# Altium PCB CameraControler0.1.PcbDoc
Units mil, origin at the board's own origin, x right, y up, seen from the top; angles counter-clockwise.
Board outline 5511.81 x 4409.45 mil, 2 copper layers (Top Layer, Bottom Layer); 290 components, 222 nets, 911 pads, 4 vias.
Unrouted connection lines stored in the file: 651.
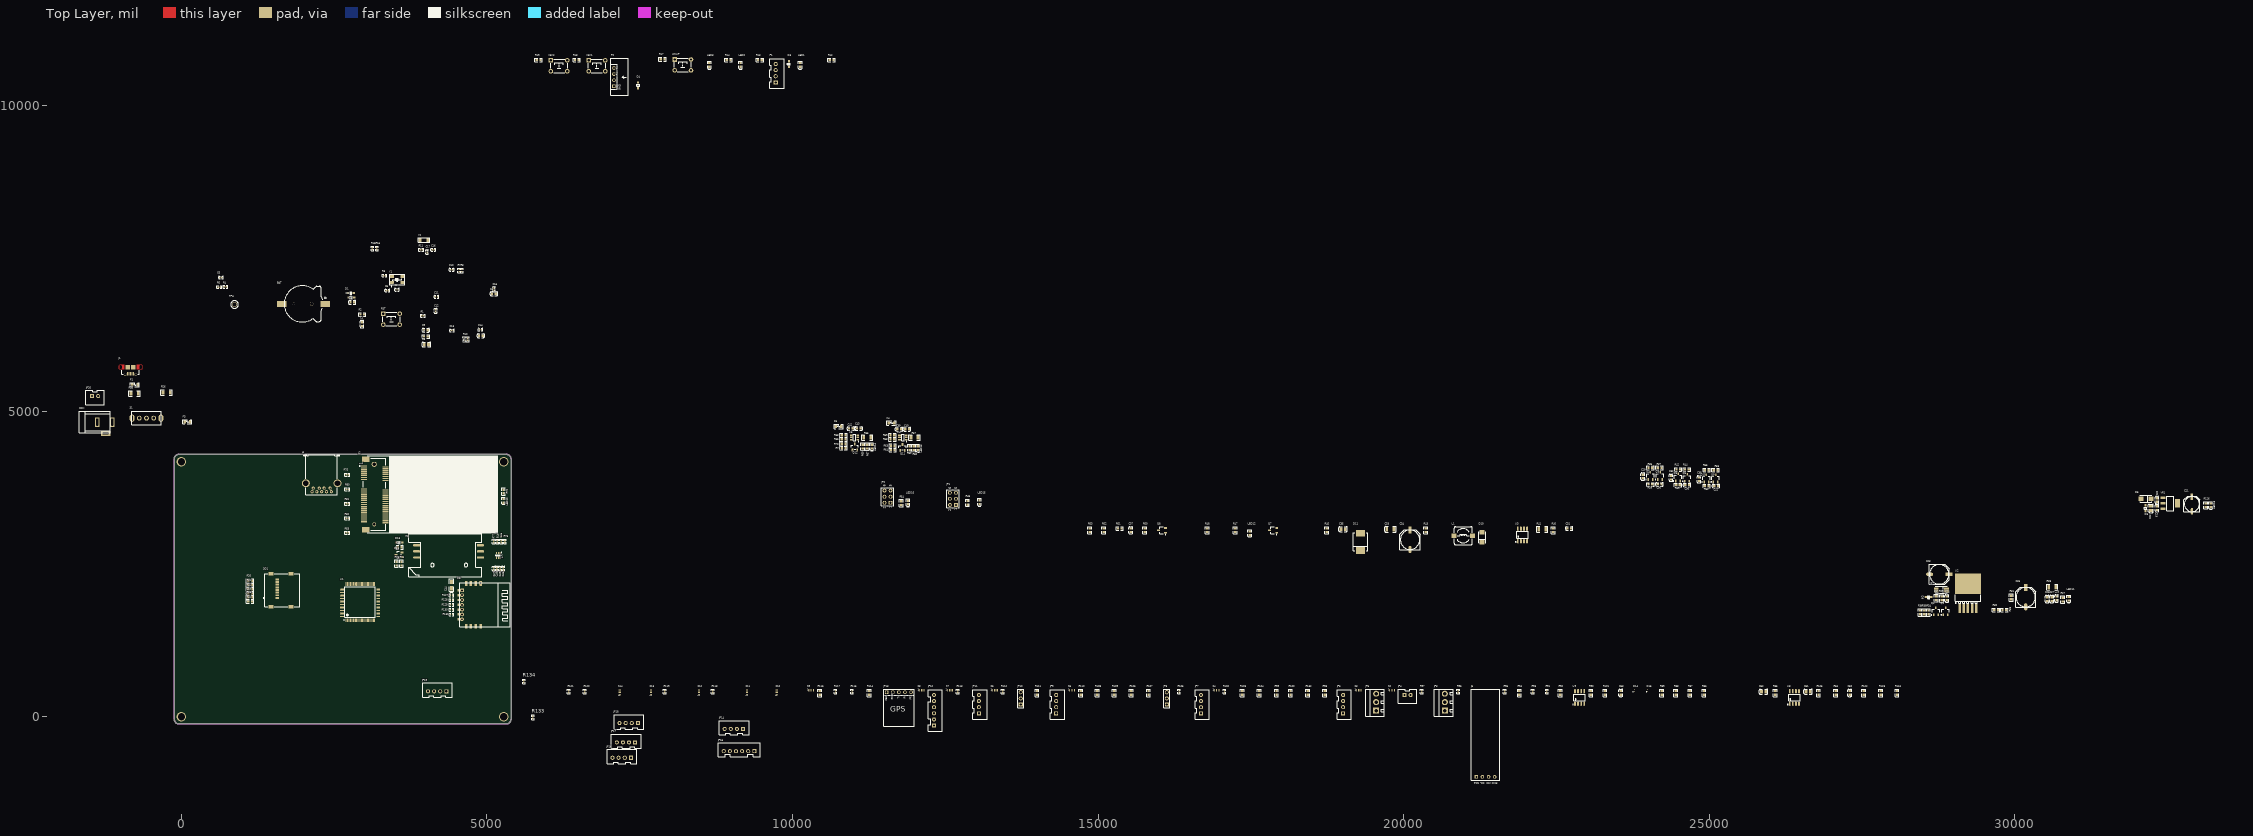
[diagram p0: Top Layer view]
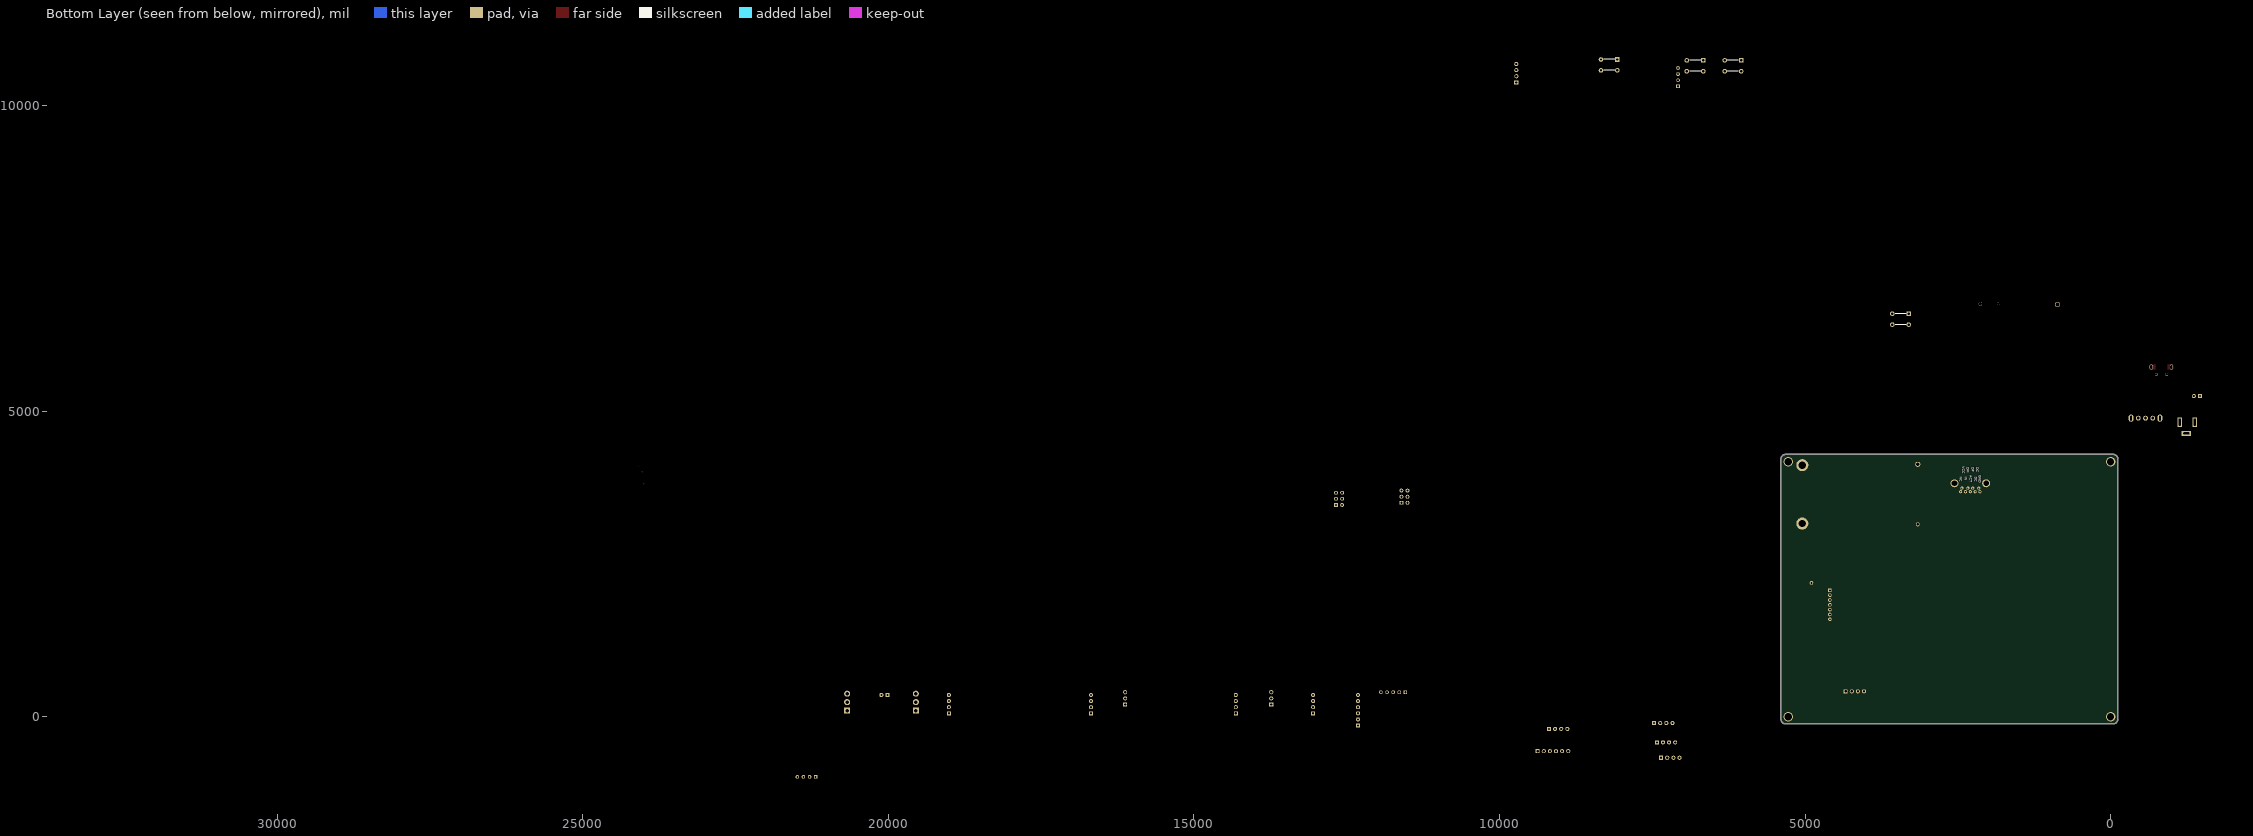
[diagram p1: Bottom Layer view, seen from below]

## Layer stack, top to bottom
Top Solder: solder mask 0.4, Solder Resist, Dk 3.5
Top Layer: signal copper 1.4
Dielectric 1: dielectric 12.6, FR-4, Dk 4.8
Bottom Layer: signal copper 1.4
Bottom Solder: solder mask 0.4, Solder Resist, Dk 3.5

## Board outline
-117.91,-43.11 ccw(c-43.11,-43.11) -43.11,-117.91 -43.31,-118.11 5318.9,-118.11 ccw(c5318.9,-43.31) 5393.7,-43.31 5393.7,4216.54 ccw(c5318.9,4216.54) 5318.9,4291.34 -43.31,4291.33 -43.31,4291.34 ccw(c-43.31,4216.54) -118.11,4216.54

## Design rules (kind name [scope] priority, off if disabled: settings)
Clearance [All] p1: gap=6 ignorepadtopadclearanceinfootprint=FALSE except(0: Arc-Hole Track-Hole SMDPad-Hole THPad-Hole Via-Hole Fill-Hole Poly-Hole Region-Hole Text-Hole; 1: THPad-Fill THPad-Poly THPad-Region Via-Fill Via-Poly Via-Region)
HoleSize [All] p1: absolutevalues=TRUE maxlimit=120 minlimit=1 maxpercent=80.000 minpercent=20.000
MinimumSolderMaskSliver [All] p1: minsoldermaskwidth=1
PolygonConnect [All] p1: connectstyle=Relief reliefconductorwidth=10 reliefentries=4 polygonreliefangle="90 Angle" airgapwidth=10
RoutingVias [All] p1: holewidth=10 width=20 viastyle="Through Hole" minholewidth=6 minwidth=10 maxholewidth=30 maxwidth=50
SolderMaskExpansion [All] p1: expansion=4
Width [All] p1: maxlimit=50 minlimit=6 preferedwidth=10 minimp=50.000000 maximp=50.000000 favimp=50.000000
28 further rules are at their usual default settings.

## Classes and differential pairs
component class WiFi&4G_F: C44 C45 C46 C47 C48 C49 D13 J2 J3 LED10 Q13 R72 R73 R74 R75 R76 R77 R78 R79 R80 R81 R82 R83 R127 R128 R129 R130 R131 U6 U7
component class PWR_F: C19 C20 C21 C22 C23 C24 C25 C26 C27 C28 C29 C30 C31 C32 C33 C34 C35 C36 C37 C38 C39 C40 C41 C42 C43 CON D5 D6 D7 D9 D10 D11 F1 F3 F4 F5 J1 JP1 JP2 JP20 L1 LED11 LED12 LED13 LED14 LED15 LED16 LED18 Q1 Q2 Q3 Q4 Q5 Q6 Q7 Q8 Q9 Q10 Q11 Q12 R25 R26 R27 R28 R29 R30 R31 R32 R33 R34 R35 R36 R37 R38 R39 R40 R41 R42 R43 R44 R45 R46 R47 R48 R49 R50 R51 R52 R53 R54 R55 R56 R57 R58 R59 R60 R61 R62 R63 R64 R65 R66 R67 R68 R69 R70 R71 R126 S1 U2 U3 U4 U5 VR1
component class MCU_F: BAT C1 C2 C3 C4 C5 C6 C7 C8 C9 C10 C11 C12 C13 C14 C15 C16 C17 C18 D1 D2 D3 D4 KEY1 KEY2 LED1 LED2 LED3 P1 P2 R1 R2 R3 R4 R5 R6 R7 R8 R9 R10 R11 R12 R13 R14 R15 R16 R17 R18 R19 R20 R21 R22 R23 R24 RST SD1 TPH U1 WKUP Y1 Y2
component class Device_F: C50 C51 C52 C53 D14 D15 J4 J5 JP3 JP4 JP5 JP6 JP7 JP8 JP9 JP10 JP11 JP12 JP13 JP14 JP15 JP16 JP17 JP18 JP19 R84 R85 R86 R87 R88 R89 R90 R91 R92 R93 R94 R95 R96 R97 R98 R99 R100 R101 R102 R103 R104 R105 R106 R107 R108 R109 R110 R111 R112 R113 R114 R115 R116 R117 R118 R119 R120 R121 R122 R123 R124 R125 R132 R133 R134 S2 S3 S4 S5 S6 S7 S8 S9 S10 S11 S12 S13 S14 U8 U9

## Components (designator, comment, footprint, x,y, rotation, side; value= is the part's Value field where it differs from the comment)
BAT "BAT CR1220" CR1220_B 1976.73,6755 r0 top
C1 "100nF" 0603_C 2955,6425 r270 top
C2 "22pF" 0402_C 3527.8,6987.69 r0 top
C3 "2.2uF" 0603_C 4900,6235 r180 top
C4 "2.2uF" 0603_C 5114.69,6920 r180 top
C5 "22pF" 0402_C 3369.53,6973.71 r0 top
C6 "100nF" 0402_C 645.31,7185 r0 top
C7 "100nF" 0603_C 2795.75,6780 r180 top
C8 "10uF" 0805_C 4010.04,6090 r0 top
C9 "100nF" 0603_C 4000,6325 r0 top
C10 "100nF" 0402_C 4423.27,7315 r0 top
C11 "100nF" 0402_C 4173.98,6870 r0 top
C12 "100nF" 0402_C 4160,6641.73 r270 top
C13 "100nF" 0402_C 4429.45,6321.02 r180 top
C14 "100nF" 0402_C 4896.73,6335 r180 top
C15 "100nF" 0402_C 5115,6995 r270 top
C16 "22pF" 0402_C 4121.73,7640 r180 top
C17 "22pF" 0402_C 4020,7605 r90 top
C18 "100nF" 0603_C 1124.69,2015.9 r0 top
C19 "100nF" 0603_C 32330,3411.61 r90 top
C20 "100nF" 0603_C 32330,3545.31 r270 top
C21 "220uF" "CT 6*6 - C" 32900,3480 r90 top
C22 "10uF" 0805_C 32230,3409.96 r90 top
C23 "470uF" "CT 8*7 - C" 28765,2330 r0 top
C24 "100nF" 0603_C 28890,1935 r270 top
C25 "470uF" "CT 8*7 - C" 30180,1955 r90 top
C26 "100nF" 0603_C 30530,1925 r90 top
C27 "10pF" 0603_C 30605,1925 r90 top
C28 "33pF" 0603_C 30685,1935 r90 top
C29 "1uF" 0603_C 23915,3930 r90 top
C30 "1uF" 0603_C 24187.76,3800.65 r0 top
C31 "100nF" 0603_C 22710,3080.31 r0 top
C32 "1uF" 0603_C 24375,3910 r90 top
C33 "10uF" 1206_C 19785,3065.31 r0 top
C34 "470uF" "CT 8*7 - C" 20105,2895.31 r90 top
C35 "22uF" 0805_C 19010,3070.31 r0 top
C36 "1uF" 0603_C 24639.32,3791 r0 top
C37 "220pF" 0603_C 15535,3050.31 r90 top
C38 "1uF" 0603_C 24835,3884.68 r90 top
C39 "1nF" 0603_C 11744.69,4705 r180 top
C40 "100nF" 0603_C 11875,4705 r180 top
C41 "1uF" 0603_C 25112.4,3775.33 r0 top
C42 "1nF" 0603_C 10955,4715 r180 top
C43 "100nF" 0603_C 11085,4715 r0 top
C44 "4.7uF" CASE-A_3216 4420,2153.43 r270 top
C45 "100nF" 0603_C 3572.27,2770 r180 top
C46 "33pF" 0402_C 5270,2421.73 r90 top
C47 "33pF" 0402_C 5111.73,2421.73 r90 top
C48 "33pF" 0402_C 5164.49,2421.73 r90 top
C49 "33pF" 0402_C 5217.24,2421.73 r90 top
C50 "100nF" 0603_C 27300,390 r90 top
C51 "10uF" 0805_C 26620,410 r0 top
C52 "100nF" 0805_C 25890,410 r0 top
C53 "100nF" 0603_C 23555,390 r90 top
CON "DC" DC-005 -1376.95,4820 r180 top
D1 "1N4148" SOD-323 2775,6930 r180 top
D2 "1N4148" SOD-323 2780,6860 r180 top
D3 "1N4148" SOD-323 9940,10680 r90 top
D4 "1N4148" SOD-323 7475,10331.46 r90 top
D5 "B350A" SMA(DO-214AC)_S1 32147.32,3565 r180 top
D6 "SD24C" SOD-323 32140,3410 r270 top
D7 "B350A" SMA(DO-214AC)_S1 28800,2075 r180 top
D9 "SD24C" SOD-323 28590,1955 r180 top
D10 "B350A" SMA(DO-214AC)_S1 21285,2935.31 r90 top
D11 "SS34" SMC(DO-214AB)_S1 19295,2860.31 r90 top
D13 "LESD3Z5.0T1G" SOD-323 3566.5,2850 r0 top
D14 "ESD9L5.0ST5G" ONSC-SOD-923-2-514AB-01_V 23775,425 r90 top
D15 "ESD9L5.0ST5G" ONSC-SOD-923-2-514AB-01_V 23995,425 r90 top
F1 "5V 2A" "FU 0805" -761.36,5430 r180 top
F3 "5V 3A" "FU 0805" 98.05,4825 r0 top
F4 "5V 2A" "FU 0805" 11620,4805 r0 top
F5 "5V 2A" "FU 0805" 10755,4750 r0 top
J1 "MicroUSB" MOLX-47589-0001 -831.95,5720.43 r180 top
J2 "EC25-AU" PCIEmin-i 3155.24,3145.87 r90 top locked
J3 "SIM Card" "SIM Card" 3850,2605 r180 top
J4 "USB 3.0" USB3.0-i 2295.63,3958.11 r180 top
J5 "OLED" "HDR-4P OLED" 21190,-985 r90 top
JP1 "HDR-2X3" HDR-3X2 12675,3465 r90 top
JP2 "HDR-2X3" HDR-3X2 11605,3500 r90 top
JP3 "HDR-1X3" KF350-3P 20675,100 r90 top
JP4 "XH-2.56-2P" XH2.54-2P 20015,355 r0 top
JP5 "HDR-1X3" KF350-3P 19550,100 r90 top
JP6 "XH-2.56-4P" XH2.54-4P 19010,55 r90 top
JP7 "IIC" XH2.54-4P 16685,55 r90 top
JP8 "HDR-1X3" HDR-1X3 16125,200 r90 top
JP9 "XH-2.56-4P" XH2.54-4P 14315,55 r90 top
JP10 "HDR-1X3" HDR-1X3 13735,200 r90 top
JP11 "IIC" XH2.54-4P 13050,55 r90 top
JP12 "SPI2" XH2.54-6P 12315,-145 r90 top
JP13 "HDR-5P GPS" "HDR-5P GPS" 11540,400 r0 top
JP14 "IIC" XH2.54-4P 9190,-200 r180 top
JP15 "SPI3" XH2.54-6P 9375,-565 r180 top
JP16 "UART2_1" XH2.54-4P 7355,-672 r180 top
JP17 "IIC" XH2.54-4P 7425,-420 r180 top
JP18 "UART2_2" XH2.54-4P 7470,-105 r180 top
JP19 "IIC" XH2.54-4P 4335,415 r180 top
JP20 "DC" XH2.54-2P -1461.95,5245 r0 top
KEY1 "KEY" "TSW DIP-6*6*8" 6800,10650 r0 top
KEY2 "KEY" "TSW DIP-6*6*8" 6180,10650 r0 top
L1 "10uH" CDRH74 20975,2960.31 r0 top
LED1 "绿灯 0603" 0603_LED_S1 10125,10665 r90 top
LED2 "黄灯 0603" 0603_LED_S1 9150,10665 r90 top
LED3 "蓝灯 0603" 0603_LED_S1 8640,10665 r90 top
LED10 "蓝灯 0603" 0603_LED_S1 5270,3531.42 r90 top
LED11 "黄灯 0603" 0603_LED_S1 30885,1930.31 r90 top
LED12 "黄灯 0603" 0603_LED_S1 17480,3000.31 r90 top
LED13 "黄灯 0603" 0603_LED_S1 12055,4395 r90 top
LED14 "黄灯 0603" 0603_LED_S1 11300,4420 r90 top
LED15 "黄灯 0603" 0603_LED_S1 13060,3510 r90 top
LED16 "黄灯 0603" 0603_LED_S1 11890,3504.68 r90 top
LED18 "红灯 0603" 0603_LED_S1 33210,3460 r90 top
P1 "JLINK" XH2.54-4P 9725,10380 r90 top
P2 "LOG" "HDR-4P Bluetooth-v" 7550,11720 r0 top
Q1 "AO3400A" SOT-23-3L 28870,1725 r270 top
Q2 "AO3400A" SOT-23-3L 28710,1725 r270 top
Q3 "AO3401A" SOT-23-3L 24196.12,3940.65 r270 top
Q4 "AO3400A" SOT-23-3L 24038.72,3940.65 r270 top
Q5 "AO3401A" SOT-23-3L 24640,3910.65 r270 top
Q6 "AO3400A" SOT-23-3L 24490,3915.65 r270 top
Q7 "AO3400A" SOT-23-3L 17865,3050.31 r0 top
Q8 "AO3400A" SOT-23-3L 16045,3050.31 r0 top
Q9 "AO3401A" SOT-23-3L 25105.31,3900.33 r270 top
Q10 "AO3400A" SOT-23-3L 24955,3900.33 r270 top
Q11 "SS8050" SOT-23(SOT-23-3) 11800,4405 r270 top
Q12 "SS8050" SOT-23(SOT-23-3) 11020,4415 r270 top
Q13 "SS8050 Y1" SOT-23(SOT-23-3) 3558.82,2650 r0 top
R1 "0Ω" 0402_R 3951.73,6560 r0 top
R2 "10KΩ" 0603_R 2960,6580 r0 top
R3 "NC" 0402_R 3324.53,7217.69 r0 top value=1MΩ
R4 "0Ω" 0402_R 720,7035 r0 top
R5 "NC" 0402_R 620,7030 r0 top value=0Ω
R6 "10Ω" 0603_R 4000,6221 r0 top
R7 "NC" 0402_R 4545,7301.02 r270 top value=10KΩ
R8 "10KΩ" 0402_R 4590,7301.02 r90 top
R9 "NC" 0402_R 4685,6176.73 r90 top value=10KΩ
R10 "10KΩ" 0402_R 4630,6176.73 r270 top
R11 "NC" 0402_R 3923.27,7640 r0 top value=1MΩ
R12 "4.7KΩ" 0603_R 10640,10745 r0 top
R13 "4.7KΩ" 0603_R 9465,10745 r0 top
R14 "4.7KΩ" 0603_R 8955,10745 r0 top
R15 "0Ω" 0402_R 3200,7660 r90 top
R16 "0Ω" 0402_R 3125,7663.58 r90 top
R17 "4.7KΩ" 0603_R 7875,10760 r0 top
R18 "4.7KΩ" 0603_R 6470,10745 r0 top
R19 "4.7KΩ" 0603_R 5845,10745 r0 top
R20 "47KΩ" 0603_R 1124.69,2225 r180 top
R21 "47KΩ" 0603_R 1124.69,2155 r180 top
R22 "47KΩ" 0603_R 1124.69,2085 r180 top
R23 "47KΩ" 0603_R 1125,1955 r180 top
R24 "47KΩ" 0603_R 1124.69,1885 r180 top
R25 "0Ω" 1206_R -766.95,5290 r180 top
R26 "0Ω" 1206_R -241.95,5305 r0 top
R27 "4.7KΩ" 0603_R 30785,1915 r90 top
R28 "0Ω" 1206_R 30613.66,2120 r0 top
R29 "51KΩ" 0603_R 28805,1935 r90 top
R30 "82KΩ" 0603_R 29695,1745 r180 top
R31 "470Ω" 0603_R 29945,1950 r90 top
R32 "100KΩ" 0603_R 28715,1939.69 r90 top
R33 "47KΩ" 0603_R 29830.31,1745 r180 top
R34 "NC" 0603_R 28590,1705.32 r90 top
R35 "100KΩ" 0603_R 24039.31,4075.65 r0 top
R36 "10KΩ" 0603_R 28450,1705.31 r90 top
R37 "NC" 0603_R 24187.76,4075.65 r0 top
R38 "100KΩ" 0603_R 28520,1705.32 r90 top
R39 "100KΩ" 0603_R 24039.31,3800.65 r180 top
R40 "124KΩ" 0603_R 22450,3050.31 r90 top
R41 "0Ω" 1206_R 22270,3065.31 r0 top
R42 "100KΩ" 0603_R 24494.68,4045 r0 top
R43 "4.7KΩ" 0603_R 20360,3050.31 r90 top
R44 "NC" 0603_R 24635.31,4045 r0 top
R45 "100KΩ" 0603_R 18740,3050.31 r90 top
R46 "10KΩ" 0603_R 12865,3499.69 r270 top
R47 "40.2KΩ" 0603_R 17245,3050.31 r90 top
R48 "NC" 0603_R 16785,3050.31 r90 top
R49 "100KΩ" 0603_R 24490,3791 r180 top
R50 "10KΩ" 0603_R 15765,3050.31 r90 top
R51 "200KΩ" 0603_R 15355,3080.31 r0 top
R52 "100KΩ" 0603_R 15095,3050.31 r90 top
R53 "68.1KΩ" 0603_R 14865,3050.31 r90 top
R54 "4.7KΩ" 0603_R 11780,3494.69 r270 top
R55 "100KΩ" 0603_R 24960,4035 r0 top
R56 "NC" 0603_R 25105.31,4035 r0 top
R57 "0Ω" 1206_R 11996.34,4570 r0 top
R58 "51KΩ" 0603_R 11634.69,4540 r180 top
R59 "100KΩ" 0603_R 11634.68,4605 r0 top
R60 "10KΩ" 0603_R 11985,4395 r90 top
R61 "4.7KΩ" 0603_R 11915,4395 r270 top
R62 "100KΩ" 0603_R 24960,3775.33 r180 top
R63 "4.7KΩ" 0603_R 11640,4435 r0 top
R64 "47KΩ" 0603_R 11640,4365 r180 top
R65 "0Ω" 1206_R 11223.66,4570 r0 top
R66 "51KΩ" 0603_R 10835,4540 r180 top
R67 "4.7KΩ" 0603_R 11225,4420 r90 top
R68 "100KΩ" 0603_R 10835,4605 r0 top
R69 "4.7KΩ" 0603_R 11150,4420 r270 top
R70 "4.7KΩ" 0603_R 10835,4464.21 r0 top
R71 "47KΩ" 0603_R 10834.69,4395 r180 top
R72 "4.7KΩ" 0603_R 5270,3684.68 r90 top
R73 "4.7KΩ" 0603_R 3519.65,2504.25 r90 top
R74 "4.7KΩ" 0603_R 3601.83,2504.25 r270 top
R75 "10KΩ" 0402_R 2713.39,3960.83 r180 top
R76 "15KΩ" 0402_R 5295,2865 r90 top
R77 "22Ω" 0402_R 5110,2865 r270 top
R78 "22Ω" 0402_R 5171.73,2865 r270 top
R79 "22Ω" 0402_R 5233.46,2865 r270 top
R80 "22Ω" 0402_R 2713.39,3723.12 r180 top
R81 "NC" 0402_R 2713.39,3485.41 r180 top value=22Ω
R82 "22Ω" 0402_R 2713.39,3247.71 r180 top
R83 "22Ω" 0402_R 2713.39,3010 r180 top
R84 "10KΩ" 0603_R 27070,390 r90 top
R85 "10KΩ" 0603_R 26080,390 r90 top
R86 "10KΩ" 0603_R 24915,390 r90 top
R87 "10KΩ" 0603_R 24685,390 r90 top
R88 "NC" 0603_R 24455,390 r90 top
R89 "0Ω" 0603_R 24225,390 r90 top
R90 "360Ω" 0603_R 23065,390 r90 top
R91 "22Ω" 0402_R 22345,410 r90 top
R92 "360Ω" 0603_R 22565,390 r90 top
R93 "22Ω" 0402_R 22115,410 r90 top
R94 "120Ω" 0603_R 21895,390 r90 top
R95 "22Ω" 0402_R 21655,410 r90 top
R96 "22Ω" 0402_R 20895,410 r90 top
R97 "22Ω" 0402_R 20295,410 r90 top
R98 "4.7KΩ" 0603_R 18710,390 r90 top
R99 "4.7KΩ" 0603_R 17920,390 r90 top
R100 "0Ω" 0603_R 18150,390 r90 top
R101 "0Ω" 0603_R 23295,390 r90 top
R102 "22Ω" 0402_R 17070,410 r90 top
R103 "0Ω" 0603_R 17360,390 r90 top
R104 "NC" 0603_R 17640,390 r90 top
R105 "22Ω" 0402_R 16325,410 r90 top
R106 "0Ω" 0603_R 15545,390 r90 top
R107 "NC" 0603_R 15825,390 r90 top
R108 "0Ω" 0603_R 14985,390 r90 top
R109 "NC" 0603_R 15265,390 r90 top
R110 "4.7KΩ" 0603_R 14715,390 r90 top
R111 "4.7KΩ" 0603_R 14000,390 r90 top
R112 "22Ω" 0402_R 13440,410 r90 top
R113 "22Ω" 0402_R 12705,410 r90 top
R114 "4.7KΩ" 0603_R 11255,390 r90 top
R115 "22Ω" 0402_R 10975,410 r90 top
R116 "4.7KΩ" 0603_R 10445,390 r90 top
R117 "22Ω" 0402_R 10705,410 r90 top
R118 "22Ω" 0402_R 8695,410 r90 top
R119 "22Ω" 0402_R 7910,410 r90 top
R120 "22Ω" 0402_R 6600,410 r90 top
R121 "22Ω" 0402_R 6340,410 r90 top
R122 "10KΩ" 0603_R 27530,390 r90 top
R123 "4.7KΩ" 0603_R 27810,390 r90 top
R124 "4.7KΩ" 0603_R 28075,390 r90 top
R125 "10KΩ" 0603_R 26790,390 r90 top
R126 "4.7KΩ" 0603_R 33125,3460 r90 top
R127 "0Ω" 0402_R 4420,1987.87 r0 top
R128 "0Ω" 0402_R 4420,1909.13 r0 top
R129 "0Ω" 0402_R 4420,1830.39 r0 top
R130 "0Ω" 0402_R 4420,1751.65 r0 top
R131 "0Ω" 0402_R 4420,1672.91 r180 top
R132 "NC" 0603_R 18430,390 r90 top
R133 "0Ω" 0402_R 5752.77,-10 r90 top
R134 "0Ω" 0402_R 5605,576.73 r90 top
RST "KEY" "TSW DIP-6*6*8" 3437.53,6505 r0 top
S1 "SW" "SS-12F23 (1P2T)  Straight foot" -571.52,4885 r180 top
S2 "SW" SWITCH_SPOT 19770,430 r0 top
S3 "SW" SWITCH_SPOT 19225,430 r0 top
S4 "SW" SWITCH_SPOT 16900,430 r0 top
S5 "SW" SWITCH_SPOT 14535,430 r0 top
S6 "SW" SWITCH_SPOT 13270,430 r0 top
S7 "SW" SWITCH_SPOT 12535,430 r0 top
S8 "SW" SWITCH_SPOT 12075,430 r0 top
S9 "SW" SWITCH_SPOT 10265,430 r0 top
S10 "SW" SWITCH_SPOT 9745,360 r90 top
S11 "SW" SWITCH_SPOT 9255,360 r90 top
S12 "SW" SWITCH_SPOT 8470,360 r90 top
S13 "SW" SWITCH_SPOT 7685,360 r90 top
S14 "SW" SWITCH_SPOT 7170,360 r90 top
SD1 "MicroSD Card" MOLX-47219-2001-8_V 1630,2070 r90 top
TPH "TPH" KSTN-5011_V 870,6745 r0 top
U1 "STM32F407VGT6" STM-LQFP100_L 2925,1875 r90 top
U2 "MIC29302WU" TO-263-5 29235,1769.49 r270 top
U3 "MP1584DN" SOP-8_150mil 21945,2975 r0 top
U4 "FDC6330L" SOT-23-6 11805,4570 r0 top
U5 "FDC6330L" SOT-23-6 11015,4570 r0 top
U6 "WIFI" MT8266WIFI-H 4554.45,1480 r0 top
U7 "SMF05CT1G" SC-70-6(SOT-363) 5185,2640 r270 top
U8 "AT24C256" SOP-8_150mil 26395,315 r0 top
U9 "SP3485" SOP-8_150mil 22880,315 r0 top
VR1 "AMS1117-3.3" SOT-223 32545.04,3490 r180 top
WKUP "KEY" "TSW DIP-6*6*8" 8205,10665 r0 top
Y1 "8MHz" XTAL-5032-4P 3529.53,7152.69 r0 top
Y2 "32.768KHz" XTAL-3215/F135 3970,7800 r180 top

## Footprints (in the part's own frame and the unit in brackets; to place one, negate y for a bottom-side part, rotate by r counter-clockwise, add the part's x,y. Pads: shape width x height; smd on the part's side, far side on the other; paste and mask are expansions set on the pad)
0402_C [mm]
  rect 0.6x0.65 smd mask+0.051: 1(-0.425,0) 2(0.425,0)
  silkscreen extent -0.97,-0.58 0.98,0.58, body extent -0.48,-0.3 0.52,0.3, height 0.2
0402_R [mm]
  rect 0.6x0.65 smd mask+0.051: 1(-0.425,0) 2(0.425,0)
  silkscreen extent -0.98,-0.57 0.97,0.58, body extent -0.57,-0.27 0.58,0.28, height 0.41
0603_C [mm]
  rect 0.93x0.98 smd: 1(-0.77,0) 2(0.77,0)
  silkscreen extent -1.53,-0.79 1.54,0.79, body extent -0.8,-0.4 0.8,0.4, height 0.3
0603_LED_S1 [mm]
  rect 0.93x0.98 smd: A(0.77,0) K(-0.77,0)
  silkscreen extent -1.97,-0.79 1.53,0.79, body extent -0.8,-0.4 0.8,0.4, height 0.6
0603_R [mm]
  rect 0.93x0.98 smd: 1(-0.77,0) 2(0.77,0)
  silkscreen extent -1.53,-0.79 1.54,0.79, body extent -0.85,-0.4 0.85,0.4, height 0.56
0805_C [mm]
  rect 1.16x1.47 smd: 1(-0.89,0) 2(0.89,0)
  silkscreen extent -1.77,-1.04 1.77,1.04, body extent -1,-0.62 1,0.63, height 0.77
1206_C [mm]
  rect 1.13x1.8 smd: 1(-1.49,0) 2(1.49,0)
  silkscreen extent -2.36,-1.2 2.35,1.2, body extent -1.6,-0.81 1.6,0.79, height 1
1206_R [mm]
  rect 1.13x1.8 smd: 1(-1.49,0) 2(1.49,0)
  silkscreen extent -2.35,-1.2 2.35,1.2, body extent -1.7,-0.86 1.65,0.87, height 0.85
CASE-A_3216 [mm]
  rect 1.8x1.35 smd: 1(1.31,0) 2(-1.31,0)
  silkscreen extent -2.54,-1 2.97,1, body extent -1.7,-0.84 1.7,0.84, height 1.71
CDRH74 [mm] "7.3*7.3*4.5mm（长宽高）"
  rect 2x2 smd: 1(-3.81,0) 2(3.81,0)
  silkscreen extent -3.81,-3.81 3.81,3.81, body extent -3.65,-3.65 3.65,3.65, height 4.5
CR1220_B [mm] "纽扣电池座"
  round 1.1 hole 1.1: 0(-3.6,0)
  round 1.45 hole 1.45: 0(3.9,0)
  rect 4x2.5 smd: 1(9.652,0) 2(-8.458,0)
  silkscreen extent -7.5,-7.5 10.16,7.5, body extent -9.42,-7.45 10.34,7.45, height 4.05
"CT 6*6 - C" [mm] "直径6mm，高6mm"
  rect 2.7x1 smd: 1(3,0)
  oval 2.7x1 smd: 2(-3,0)
  silkscreen extent -3.3,-3.3 3.3,3.3, body extent -3.5,-3.15 3.5,3.15, height 6
"CT 8*7 - C" [mm] "直径8mm，高7mm"
  rect 3x1.3 smd: 1(4,0)
  oval 3x1.3 smd: 2(-4,0)
  silkscreen extent -4.2,-4.2 4.2,4.2, body extent -4.5,-4.15 4.5,4.15, height 7
DC-005 [mm] "5.5*2.1mm，DC30V,2.5A"
  rect 2x4 hole 0.8 slot 3 at 90 deg: 1(-6.2,0) 2(0,0)
  rect 4x2 hole 0.8 slot 2.5 at 0 deg: 3(-3.5,4.7)
  silkscreen extent -5.48,-4.5 7.5,4.5, body extent -6.55,-4.5 7.5,4.8, height 11.2
"FU 0805" [mil] "贴片保险丝"
  rect 40x55 smd: 1(-45,0) 2(45,0)
  silkscreen extent -75,-35 75,35, body extent -39,-24 39,24, height 20
HDR-1X3 [mm] "排针，3脚"
  rect 1.7x1.7 hole 0.9: 1(0,0)
  round 1.7 hole 0.9: 2(2.54,0) 3(5.08,0)
  silkscreen extent -1.27,-1.27 6.35,1.27, body extent -1.27,-1.27 6.35,1.27, height 8.5
HDR-3X2 [mm] "双排排针，3x2脚"
  rect 1.6x1.6 hole 0.9: 1(0,0)
  round 1.6 hole 0.9: 2(0,2.54) 3(2.54,0) 4(2.54,2.54) 5(5.08,0) 6(5.08,2.54)
  silkscreen extent -1.27,-1.27 6.35,3.81, body extent -1.27,-1.27 6.35,3.81, height 8.5
"HDR-4P Bluetooth-v" [mm] "Connector; Header; 4 Position"
  rect 1.5x1.5 hole 0.9: 1(-11.989,-35.687)
  round 1.5 hole 0.9: 2(-11.989,-33.147) 3(-11.989,-30.607) 4(-11.989,-28.067)
  silkscreen extent -13.26,-39.5 -5.97,-23.98, body extent -13.26,-36.96 -10.72,-26.8, height 8.5
"HDR-4P OLED" [mm] "Connector; Header; 4Position"
  rect 1.5x1.5 hole 0.9: 1(0,0)
  round 1.5 hole 0.9: 2(0,-2.54) 3(0,-5.08) 4(0,-7.62)
  silkscreen extent -1.5,-9.81 36.5,2.19, body extent -1.27,-8.89 1.27,1.27, height 8.5
"HDR-5P GPS" [mm] "Connector; Header; 5 Position"
  rect 1.5x1.5 hole 0.9: 1(0,0)
  round 1.5 hole 0.9: 2(2.54,0) 3(5.08,0) 4(7.62,0) 5(10.16,0)
  silkscreen extent -1.27,-14.05 11.46,1.27, body extent -1.27,-1.27 11.43,1.27, height 8.5
KF350-3P [mm] "可拼接端子/10A"
  rect 2.5x2.5 hole 1.5: 1(0,0)
  round 2.5 hole 1.5: 2(3.5,0) 3(7,0)
  silkscreen extent -2.34,-3.48 8.94,4.37, body extent -2.15,-3.3 8.75,4.2, height 10
KSTN-5011_V [mm] "Test Point, Dia 3.17mm"
  round 2.1 hole 1.6: 1(0,0)
  silkscreen extent -1.59,-1.58 1.59,1.58, body extent -1.59,-1.59 1.59,1.59, height 8.13
MOLX-47219-2001-8_V [mm] "CONN, 8-Leads, Body 14.5x13.6mm, Pitch 1.1mm"
  rect 0.8x1.5 smd: 1(-3.205,1.55) 2(-2.105,1.55) 3(-1.005,1.55) 4(0.095,1.55) 5(1.195,1.55) 6(2.295,1.55) 7(3.395,1.55) 8(4.495,1.55)
  rect 1.45x2 smd: 9(6.875,4.15) 10(6.875,-4.15) 11(-6.875,-4.15) 12(-6.875,4.15)